# Altium PCB hep-0002.PcbDoc (part 3 of 3)
Units mm, origin at the board's own origin, x right, y up, seen from the top; angles counter-clockwise.
Board outline 120.4 x 43.4 mm, 4 copper layers (Top Layer, Signal_1, Signal_2, GND), stack 1.57 mm thick; 167 components, 143 nets, 557 pads, 227 vias.
Unrouted connection lines stored in the file: 1.
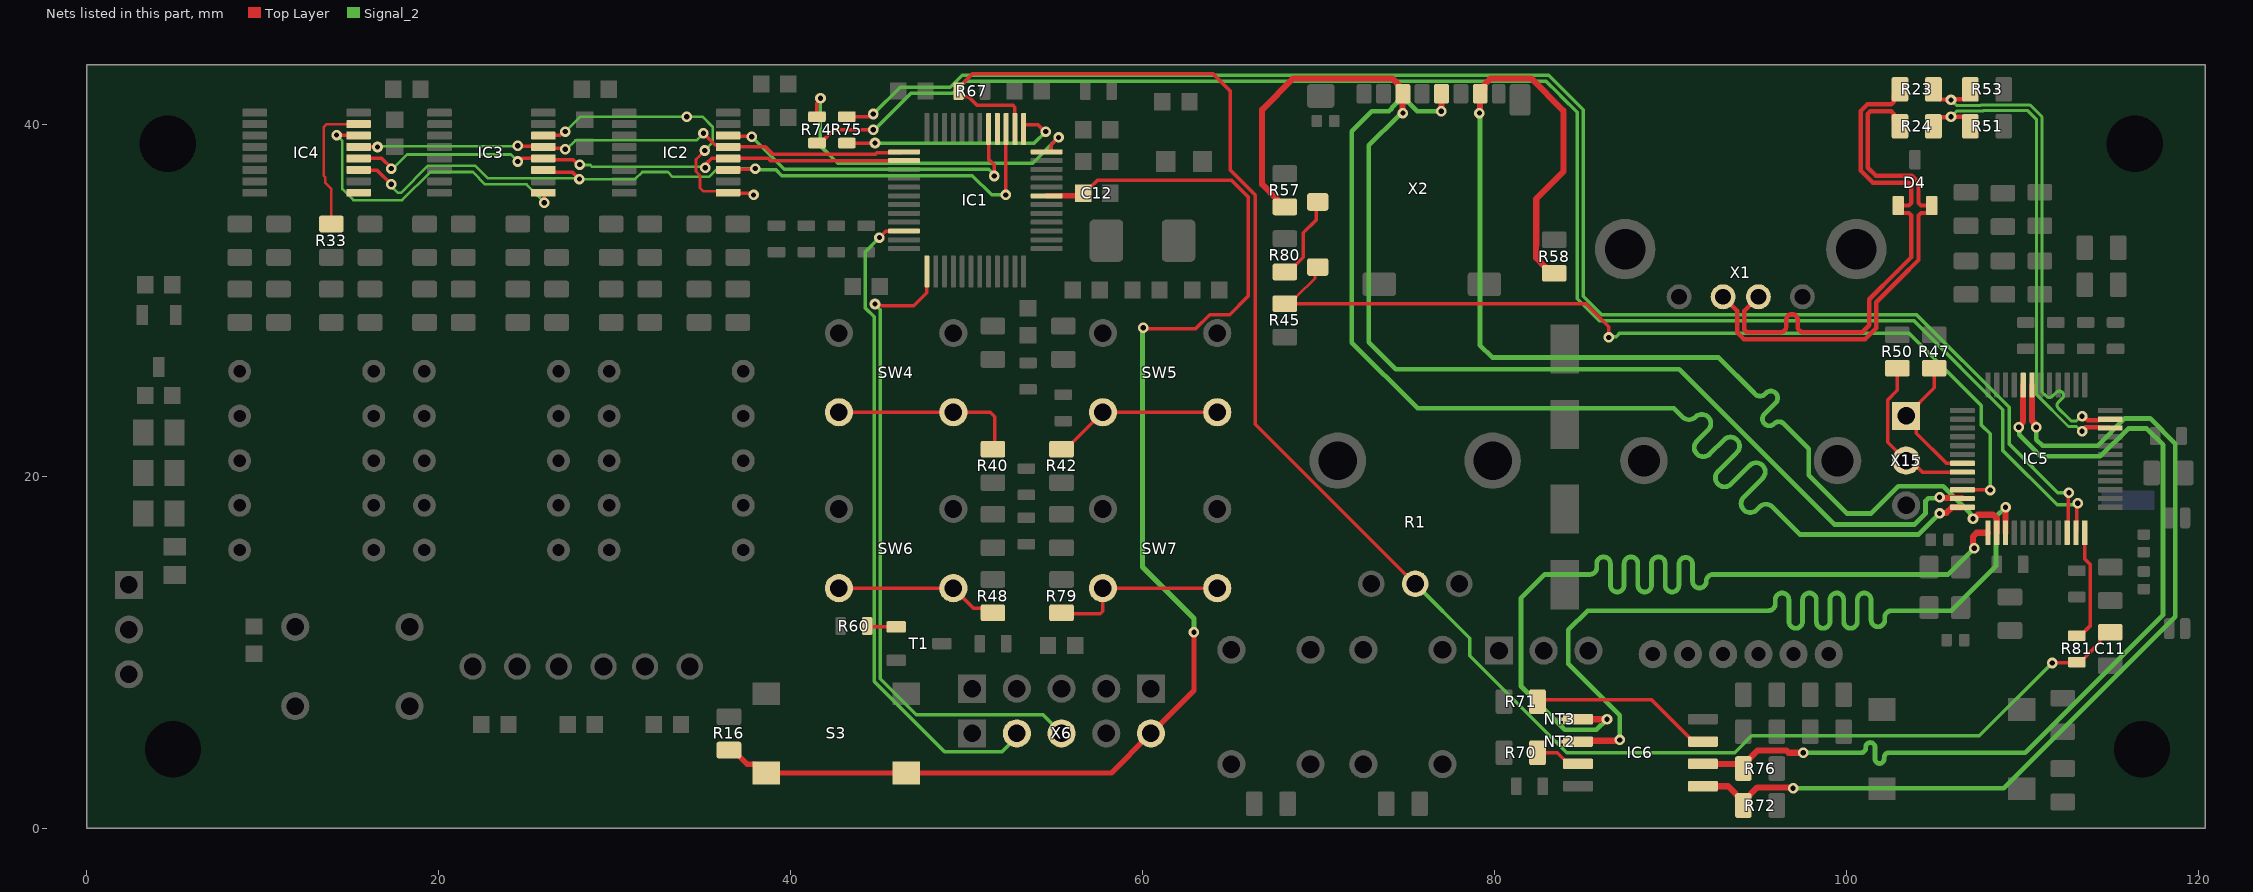
[diagram p5: the nets of this part, all layers, seen from the top]

## Via types
v1: diameter 0.6, hole 0.3, Top Layer to GND, 226 vias
v2: diameter 0.6, hole 0.2, Top Layer to GND, 1 vias

## Nets (pads, with @x,y where several pads share a name; then routed paths per layer and width w, separated by ;. In a path a pad name is that pad's centre, name@x,y a point inside that pad or via, vN(x,y) a via of type N, cw(c..) or ccw(c..) an arc to the next point about the centre after c; other vN are vias at no path point) (continued)
NetIC4_15: IC4.15 R33.2 | length 7.7
  Top Layer w0.15: R33.2@13.9,34.35 13.9,36.35 13.55,36.7 13.55,37.008 13.475,37.083 13.475,39.862 13.638,40.025 IC4.15@15.45,40.025
NetIC5_34: IC5.34 R75.1 | length 90
  Top Layer w0.2: R75.1@43.2,40.45 44.469,40.45 44.619,40.6 v1(44.7,40.6) ; IC5.34@112.55,16.8 112.6,16.85 112.6,19.025 v1(112.65,19.075)
  Signal_2 w0.2: v1(44.7,40.6) 46.225,42.125 49.078,42.125 49.753,42.8 83.085,42.8 85.05,40.835 85.05,30.25 86.1,29.2 103.992,29.2 109.25,23.942 109.25,21.841 112.016,19.075 v1(112.65,19.075)
NetIC5_35: IC5.35 R74.1 | length 92.4
  Top Layer w0.2: R74.1@41.5,38.95 41.7,38.95 42.45,39.7 v1(44.7,39.7) ; IC5.35@113.05,16.8 113.1,16.85 113.1,18.425 v1(113.15,18.475)
  Signal_2 w0.2: v1(44.7,39.7) 44.767,39.7 46.842,41.775 49.223,41.775 49.898,42.45 82.94,42.45 83.65,41.74 83.795,41.595 84.7,40.69 84.7,30.105 85.955,28.85 103.847,28.85 104.147,28.55 108.9,23.797 108.9,21.476 111.977,18.398 113.073,18.398 v1(113.15,18.475)
NetIC5_36: IC5.36 R81.2 | length 6.4
  Top Layer w0.2: R81.2@113.1,10.95 113.3,10.95 113.85,11.5 113.85,15.01 113.55,15.31 IC5.36@113.55,16.8
NetIC6_3: IC6.3 R71.1 | length 10.4
  Top Layer w0.2: R71.1@82.45,7.2 82.55,7.3 88.935,7.3 91.3,4.935 IC6.3@91.85,4.935
NetIC6_7: IC6.7 R70.1 | length 2.6
  Top Layer w0.2: R70.1@82.45,4.3 83.565,4.3 84.2,3.665 IC6.7@84.75,3.665
NetR40_1: R40.1 SW4.2 SW4.4 | length 10.8
  Top Layer w0.2: SW4.2@42.75,23.65 SW4.4@49.25,23.65 51.35,23.65 51.6,23.4 R40.1@51.6,21.6
NetR42_1: R42.1 SW5.2 SW5.4 | length 9.7
  Top Layer w0.2: R42.1@55.4,21.55 55.635,21.55 57.735,23.65 SW5.2@57.75,23.65 SW5.4@64.25,23.65
NetR48_1: R48.1 SW6.2 SW6.4 | length 9.3
  Top Layer w0.2: SW6.2@42.75,13.65 SW6.4@49.25,13.65 50.394,12.506 51.244,12.506 R48.1@51.5,12.25
NetR60_1: R60.1 T1.B | length 1.7
  Top Layer w0.2: R60.1@44.35,11.5 44.4,11.45 T1.B@46,11.45
NetR79_1: R79.1 SW7.2 SW7.4 | length 10.4
  Top Layer w0.2: R79.1@55.4,12.25 55.65,12.5 55.95,12.2 57.6,12.2 57.75,12.35 SW7.2@57.75,13.65 SW7.4@64.25,13.65
NetR80_2: R80.2 X2.9 | length 4.8
  Top Layer w0.2: R80.2@68.192,31.618 68.307,31.618 68.692,32.003 68.692,32.012 69.142,32.462 69.142,33.842 69.874,34.574 69.874,35.514 X2.9@69.96,35.6
Poti_1: C11.2 IC1.14 R1.2 R67.2 R81.1 | length 100.7
  Top Layer w0.2: R67.2@49.4,41.9 49.4,41.775 49.6,41.575 50.115,41.575 50.58,41.11 52.633,41.11 52.75,40.993 IC1.14@52.75,39.75 ; R67.2@49.55,41.9 49.55,42.1 50.35,42.9 64,42.9 65,41.9 65,37.395 66.4,35.995 66.4,22.972 75.472,13.9 R1.2@75.5,13.9 ; v1(111.7,9.4) 111.725,9.425 113.025,9.425 113.05,9.4 R81.1@113.1,9.45 113.3,9.45 114.412,10.562 114.412,10.776 114.785,11.15 C11.2@115,11.15
  Signal_2 w0.2: R1.2@75.6,13.8 78.6,10.8 78.6,9.806 84.106,4.3 93.65,4.3 94.612,5.262 107.562,5.262 v1(111.7,9.4)
Reset: C12.2 IC1.7 R16.1 S3.1 S3.3 X6.5 | length 74.3
  Top Layer w0.2: C12.2@57,36.4 57.44,36.84 65.06,36.84 66,35.9 66,30.25 64.95,29.2 63.815,29.2 63.015,28.4 60.1,28.4 v1(60.05,28.45)
  Top Layer w0.3: R16.1@36.5,4.45 36.725,4.45 37.525,3.65 38,3.65 38.2,3.45 S3.3@38.2,3.4 ; S3.3@38.625,3.15 S3.1@46.575,3.15 58.23,3.15 60.38,5.3 X6.5@60.4,5.3 ; IC1.7@54.55,35.95 56.65,35.95 C12.2@56.7,36 ; X6.5@60.48,5.4 62.925,7.845 v1(62.925,11.15)
  Signal_2 w0.3: v1(60.05,28.45) 60,28.4 60,14.85 62.925,11.925 v1(62.925,11.15)
SD_CD: IC5.22 R45.1 X2.10 | length 51.9
  Top Layer w0.15: R45.1@68.362,29.818 68.362,29.839 68.741,30.218 68.762,30.218 69.807,31.263 69.807,31.747 X2.10@69.96,31.9
  Top Layer w0.2: R45.1@68.092,29.818 68.362,29.818 85.182,29.818 86.5,28.5 v1(86.5,27.9) ; IC5.22@106.6,19.25 108.15,19.25 v1(108.175,19.225)
  Signal_2 w0.2: v1(86.5,27.9) 86.533,27.933 86.916,27.933 87.133,28.15 103.557,28.15 107.675,24.032 107.675,22.925 108.175,22.425 v1(108.175,19.225)
SD_CLK: IC5.24 X2.5 | length 69.9
  Top Layer w0.35: v1@76.875,40.725 76.985,40.835 76.985,41.74 X2.5@76.995,41.75 ; v1(105.3,17.9) 105.329,17.929 105.691,17.929 106.012,18.25 IC5.24@106.6,18.25
  Signal_2 w0.27: v1(76.975,40.75) 75.602,40.75 75.092,41.26 75.017,41.26 74.992,41.285 74.508,41.285 74.165,40.942 74.165,40.908 74.007,40.75 73.033,40.75 71.9,39.617 71.9,27.606 75.636,23.87 83.841,23.87 89.155,23.87 89.47,23.87 90.2,23.87 90.691,23.379 ccw(c91.056,23.743) 91.421,23.379 cw(c91.786,23.014) 92.151,23.379 cw(c91.786,23.014) 92.151,22.649 91.509,22.007 ccw(c91.874,21.643) 91.509,21.278 ccw(c91.874,21.643) 92.239,21.278 93.049,22.087 cw(c93.414,21.723) 93.779,22.087 cw(c93.414,21.723) 93.779,21.358 92.712,20.291 ccw(c93.077,19.927) 92.712,19.562 ccw(c93.077,19.927) 93.442,19.562 94.508,20.628 cw(c94.873,20.263) 95.238,20.628 cw(c94.873,20.263) 95.238,19.898 94.172,18.832 ccw(c94.537,18.467) 94.172,18.102 ccw(c94.537,18.467) 94.902,18.102 95.07,18.27 cw(c95.435,17.906) 95.8,18.27 95.895,18.175 97.37,16.7 104.1,16.7 v1(105.3,17.9)
SD_CMD: IC5.23 R57.2 X2.3 | length 69.8
  Top Layer w0.35: R57.2@68.192,35.318 67.967,35.318 67.667,35.618 67.667,35.737 66.8,36.604 66.8,40.85 68.575,42.625 74.192,42.625 74.445,42.372 74.545,42.272 74.545,42.125 74.57,42.1 74.787,42.1 74.822,42.066 74.772,42.016 74.772,40.678 v1(74.8,40.65) ; v1(105.3,18.825) 105.368,18.825 105.418,18.775 106.575,18.775 IC5.23@106.6,18.75
  Signal_2 w0.27: v1(74.8,40.65) 74.711,40.65 74.546,40.485 74.535,40.485 72.863,38.813 72.863,27.637 74.4,26.1 90.492,26.1 99.317,17.275 103.875,17.275 104.5,17.9 104.5,18.604 104.658,18.762 105.237,18.762 v1(105.3,18.825)
SD_DAT0: IC5.26 R58.2 X2.7 | length 69.5
  Top Layer w0.35: v1(79.15,40.65) 79.175,40.675 79.175,41.73 79.445,42 79.445,42.28 79.79,42.625 82.089,42.625 83.925,40.789 83.925,37.325 82.375,35.775 82.375,33.168 82.367,33.16 82.367,32.425 82.875,31.917 82.875,31.85 83.325,31.4 R58.2@83.392,31.4 ; 107.466,17.825 108.345,17.825 108.55,17.62 IC5.26@108.55,16.8
  Signal_2 w0.27: v1(79.15,40.65) 79.177,40.623 79.177,27.471 79.883,26.765 92.735,26.765 94.728,24.772 94.824,24.676 ccw(c95.099,24.951) 95.374,24.676 95.436,24.739 cw(c95.711,24.464) 95.986,24.739 cw(c95.711,24.464) 95.986,24.188 95.345,23.547 ccw(c95.62,23.272) 95.345,22.997 ccw(c95.62,23.272) 95.895,22.997 cw(c96.17,22.722) 96.445,22.997 96.88,22.563 96.975,22.467 97.865,21.577 97.865,20.063 98.043,19.886 100.028,17.9 101.406,17.9 102.951,19.445 105.507,19.445 105.885,19.067 107.048,17.905 107.048,17.842 107.2,17.689 v1(107.2,17.6)
Serial_Out_1: IC2.9 IC3.14 | length 17.2
  Top Layer w0.15: v1(35.125,38.525) 34.625,38.025 34.625,37.333 34.85,37.108 34.85,36.4 35.05,36.2 36.375,36.2 IC2.9@36.45,36.125
  Top Layer w0.2: IC3.14@26.205,39.4 26.898,39.4 27.098,39.6 v1(27.2,39.6) ; IC2.9@36.475,36.1 37.719,36.1 37.819,36 v1(37.9,36)
  Top Layer w0.3: IC2.9@36.45,36.125 IC2.9@36.475,36.1
  Signal_2 w0.15: v1(27.2,39.6) 28.05,40.45 v1(34.1,40.45) 35,40.45 35.575,39.875 35.575,38.975 v1(35.125,38.525)
Serial_Out_2: IC3.9 IC4.14 | length 17.7
  Top Layer w0.2: v1(14.2,39.4) 14.212,39.388 14.988,39.388 IC4.14@15,39.4 ; IC3.9@25.95,36.125 26,36.075 v1@26,35.6
  Signal_2 w0.15: v1(14.2,39.4) 14.525,39.075 14.525,36.325 15.15,35.7 17.925,35.7 19.525,37.3 21.944,37.3 22.644,36.6 25,36.6 v1@26,35.6
  other v1: 26,35.55
Serial_Out_3: IC4.9
Shift_Out_nOE: IC1.25 IC2.13 IC3.13 IC4.13 | length 31.9
  Top Layer w0.2: IC4.13@15.4,38.7 15.425,38.725 IC4.13@15.45,38.725 v1@16.425,38.725 ; v1(24.5,38.8) 24.537,38.763 25.913,38.763 IC3.13@25.95,38.725 ; IC3.13@26.012,38.713 26.068,38.657 27.143,38.657 v1(27.2,38.6) ; v1(35.05,39.5) 35.7,38.85 36.325,38.85 IC2.13@36.45,38.725 38.575,38.725 39,38.3 44.807,38.3 44.907,38.4 IC1.25@46.308,38.4
  Signal_2 w0.15: v1@16.425,38.725 16.462,38.763 24.462,38.763 v1(24.5,38.8) ; v1(27.2,38.6) 27.267,38.6 27.767,39.1 34.65,39.1 v1(35.05,39.5)
  other v1: 16.525,38.725
SPI1_CS: IC5.7 IC6.1 R72.1 | length 54.1
  Top Layer w0.35: IC6.1@91.85,2.395 93.28,2.395 R72.1@94.15,1.525 ; R72.1@94.15,1.3 R72.1@94.15,1.525 ; v1@96.954,2.296 96.886,2.296 96.857,2.325 94.95,2.325 R72.1@94.15,1.525 ; IC5.7@110.55,25.2 110.55,23.158 110.752,22.956 110.752,22.848 v1(110.8,22.8)
  Signal_2 w0.27: v1(96.975,2.275) 108.952,2.275 118.7,12.023 118.7,21.863 117.263,23.3 115.825,23.3 114.275,21.75 111.15,21.75 110.8,22.1 v1(110.8,22.8)
SPI1_CS_MCU: IC1.26 IC2.12 IC3.12 IC4.12 | length 32.3
  Top Layer w0.2: IC4.12@15.462,38.087 16.754,38.087 17.3,37.541 v1(17.3,37.5) ; v1(24.5,37.9) 24.581,37.9 24.756,38.075 IC3.12@25.95,38.075 26.025,38 27.642,38 27.917,37.725 v1(28.025,37.725) ; v1@35.04,37.6 35.092,37.6 35.227,37.735 35.227,37.786 35.515,38.075 38.73,38.075 38.855,37.95 IC1.26@46.45,37.95
  Signal_2 w0.15: v1(17.3,37.5) 17.4,37.5 18.2,38.3 24.1,38.3 v1(24.5,37.9) ; v1(28.025,37.725) 28.05,37.7 28.625,37.7 28.725,37.6 v1@35,37.6
  other v1: 35.15,37.55
SPI1_MISO: IC5.8 IC6.2 R76.1 | length 54
  Top Layer w0.35: IC6.2@91.85,3.665 93.885,3.665 R76.1@94.038,3.512 ; R76.1@94.15,3.4 94.15,3.625 94.95,4.425 96.59,4.425 96.715,4.3 v1(97.55,4.3) ; v1(109.8,22.8) 109.8,22.868 110.05,23.118 IC5.8@110.05,25.2
  Signal_2 w0.27: v1(97.55,4.3) 98.749,4.3 100.697,4.3 100.832,4.3 ccw(c100.832,4.57) 101.102,4.57 101.102,4.615 cw(c101.364,4.615) 101.364,4.877 cw(c101.364,4.615) 101.626,4.615 101.626,3.95 ccw(c101.888,3.95) 101.888,3.688 ccw(c101.888,3.95) 102.15,3.95 102.15,4.03 cw(c102.42,4.03) 102.42,4.3 104.5,4.3 110.167,4.3 118,12.133 118,21.8 117.078,22.722 116.017,22.722 114.438,21.143 111.05,21.143 109.825,22.368 109.825,22.775 v1(109.8,22.8)
SPI1_MISO_MCU: IC1.16
SPI1_MOSI: IC5.25 IC6.5 NT3.2 | length 54.1
  Top Layer w0.35: IC6.5@84.2,6.2 IC6.5@84.4,6.2 ; IC6.5@84.75,6.205 84.755,6.2 v1(86.4,6.2) ; v1(107.275,15.925) 107.275,15.993 107.2,16.068 107.2,16.595 107.405,16.8 IC5.25@108.05,16.8
  Signal_2 w0.27: v1(86.4,6.2) 85.8,5.6 84,5.6 81.508,8.092 81.508,13.074 82.867,14.433 85.292,14.433 85.427,14.433 ccw(c85.427,14.822) 85.816,14.822 85.816,15.044 cw(c86.205,15.044) 86.205,15.433 cw(c86.205,15.044) 86.594,15.044 86.594,13.822 ccw(c86.983,13.822) 86.983,13.433 ccw(c86.983,13.822) 87.372,13.822 87.372,15.044 cw(c87.761,15.044) 87.761,15.433 cw(c87.761,15.044) 88.15,15.044 88.15,13.822 ccw(c88.539,13.822) 88.539,13.433 ccw(c88.539,13.822) 88.928,13.822 88.928,15.044 cw(c89.317,15.044) 89.317,15.433 cw(c89.317,15.044) 89.706,15.044 89.706,13.822 ccw(c90.095,13.822) 90.095,13.433 ccw(c90.095,13.822) 90.484,13.822 90.484,15.013 cw(c90.873,15.013) 90.873,15.402 cw(c90.873,15.013) 91.262,15.013 91.262,14.044 ccw(c91.651,14.044) 91.651,13.655 ccw(c91.651,14.044) 92.04,14.044 cw(c92.429,14.044) 92.429,14.433 94.069,14.433 95.986,14.433 105.783,14.433 v1(107.275,15.925)
SPI1_MOSI_MCU: IC1.17 IC2.14 | length 18.5
  Top Layer w0.2: IC2.14@36.9,39.4 36.962,39.338 37.763,39.338 v1(37.8,39.3) ; IC1.17@51.25,39.75 51.25,38.031 51.575,37.706 v1(51.575,37.075)
  Signal_2 w0.2: v1(37.8,39.3) 39.65,37.45 51.267,37.45 51.575,37.142 v1(51.575,37.075)
SPI1_SCK: IC5.27 IC6.6 NT2.2 | length 54.1
  Top Layer w0.35: IC6.6@84.2,4.935 IC6.6@84.75,4.935 84.795,4.98 87.08,4.98 v1(87.125,5.025) ; IC5.27@109.05,16.8 v1(109.05,18.25)
  Signal_2 w0.27: v1(87.125,5.025) 87.125,6.418 84.2,9.343 84.2,11.283 85.292,12.375 95.436,12.375 95.571,12.375 ccw(c95.571,12.764) 95.96,12.764 95.96,12.986 cw(c96.349,12.986) 96.349,13.375 cw(c96.349,12.986) 96.738,12.986 96.738,11.764 ccw(c97.127,11.764) 97.127,11.375 ccw(c97.127,11.764) 97.516,11.764 97.516,12.986 cw(c97.905,12.986) 97.905,13.375 cw(c97.905,12.986) 98.294,12.986 98.294,11.764 ccw(c98.683,11.764) 98.683,11.375 ccw(c98.683,11.764) 99.072,11.764 99.072,12.986 cw(c99.461,12.986) 99.461,13.375 cw(c99.461,12.986) 99.85,12.986 99.85,11.764 ccw(c100.239,11.764) 100.239,11.375 ccw(c100.239,11.764) 100.628,11.764 100.628,12.986 cw(c101.017,12.986) 101.017,13.375 cw(c101.017,12.986) 101.406,12.986 101.406,11.85 ccw(c101.795,11.85) 101.795,11.461 ccw(c101.795,11.85) 102.184,11.85 102.184,11.986 cw(c102.573,11.986) 102.573,12.375 103.847,12.375 105.043,12.375 105.972,12.375 108.499,14.903 108.499,17.699 v1(109.05,18.25)
SPI1_SCK_MCU: IC1.15 IC2.11 IC3.11 IC4.11 | length 47.1
  Top Layer w0.2: IC4.11@15.45,37.425 15.485,37.39 16.51,37.39 v1(17.3,36.6) ; IC3.11@25.95,37.425 26.075,37.3 27.6,37.3 v1(28,36.9) ; IC2.11@36.343,37.463 37.962,37.463 v1(38,37.5) ; v1(52.225,36) 52.238,36.012 52.238,39.738 IC1.15@52.25,39.75
  Signal_2 w0.15: v1(17.3,36.6) 17.3,36.5 17.682,36.118 17.848,36.118 19.38,37.65 22.089,37.65 22.789,36.95 27.95,36.95 v1(28,36.9) 31.172,36.9 31.572,37.3 33.024,37.3 33.299,37.025 35.367,37.025 35.842,37.5 v1(38,37.5)
  Signal_2 w0.2: v1(38,37.5) 38.057,37.443 39.162,37.443 39.505,37.1 50.325,37.1 51.425,36 v1(52.225,36)
SWCLK: IC1.37 X6.3 | length 37.4
  Top Layer w0.2: v1(44.8,29.8) 44.877,29.723 45.094,29.723 45.117,29.7 47,29.7 47.75,30.45 IC1.37@47.75,31.65
  Signal_2 w0.2: v1(44.8,29.8) 44.8,29.783 45.1,29.483 45.1,8.5 47.15,6.45 54.35,6.45 X6.3@55.3,5.5
SWDIO: IC1.34 X6.2 | length 37.6
  Top Layer w0.2: v1(45.05,33.575) 45.41,33.935 46.435,33.935 IC1.34@46.45,33.95
  Signal_2 w0.2: v1(45.05,33.575) 45.05,33.558 44.25,32.758 44.25,29.572 44.75,29.072 44.75,8.35 48.75,4.35 52.02,4.35 52.86,5.19 X6.2@52.86,5.4
UART0_RX: IC5.19 R47.1 X15.1 | length 7.9
  Top Layer w0.2: R47.1@105,26.15 105,25.04 X15.1@103.4,23.44 103.983,22.857 103.983,22.457 105.69,20.75 IC5.19@106.6,20.75
UART0_TX: IC5.20 R50.1 X15.2 | length 9.4
  Top Layer w0.2: R50.1@102.9,26.15 102.9,24.894 102.35,24.344 102.35,21.95 X15.2@103.4,20.9 103.656,20.9 104.306,20.25 IC5.20@106.6,20.25
UART2_RX: IC1.13 R75.2 | length 12.9
  Top Layer w0.2: R75.2@43.2,38.95 v1(44.8,38.95) ; IC1.13@53.3,40 54.051,40 54.451,39.6 v1(54.5,39.6)
  Signal_2 w0.2: v1(44.8,38.95) 53.85,38.95 v1(54.5,39.6)
UART2_TX: IC1.12 R74.2 | length 19.6
  Top Layer w0.2: R74.2@41.5,40.5 41.5,41.219 41.7,41.419 v1(41.7,41.5) ; IC1.12@54.55,38.45 54.769,38.45 54.806,38.487 54.806,38.843 v1(55.23,39.268)
  Signal_2 w0.2: v1(41.7,41.5) 41.7,38.784 42.684,37.8 53.762,37.8 v1(55.23,39.268)
USBD_CON_N: D4.1 R23.2 X1.2 | length 30.7
  Top Layer w0.25: X1.2@95,30.21 94.2,29.41 94.2,28.346 94.346,28.2 95.752,28.2 96.26,28.2 ccw(c96.26,28.525) 96.585,28.525 96.585,28.9 cw(c96.91,28.9) 96.91,29.225 cw(c96.91,28.9) 97.235,28.9 97.235,28.525 ccw(c97.56,28.525) 97.56,28.2 98.335,28.2 100.9,28.2 101.3,28.6 101.3,30.066 102.934,31.7 103.7,32.466 103.7,34.829 103.554,34.975 103.15,34.975 102.95,35.175 D4.1@102.95,35.4 103.554,35.4 103.7,35.546 103.7,36.15 103.7,36.554 103.554,36.7 101.5,36.7 100.817,37.383 100.817,40.769 101.198,41.15 102.554,41.15 102.7,41.296 102.7,41.65 R23.2@103.05,42
USBD_CON_P: D4.2 R24.2 X1.3 | length 29.9
  Top Layer w0.25: X1.3@93,30.21 93.8,29.41 93.8,28.181 94.181,27.8 94.759,27.8 99.648,27.8 101.066,27.8 101.7,28.434 101.7,29.9 103.1,31.3 104.1,32.3 104.1,34.829 104.246,34.975 104.65,34.975 104.85,35.175 D4.2@104.85,35.4 104.246,35.4 104.1,35.546 104.1,35.984 104.1,36.719 103.719,37.1 101.666,37.1 101.217,37.549 101.217,40.604 101.364,40.75 102.554,40.75 102.7,40.604 102.7,40.25 R24.2@103.05,39.9
USBD_N: IC5.47 R23.1 R53.2 | length 29.9
  Top Layer w0.25: R23.1@104.95,42 104.95,41.775 105.3,41.425 105.446,41.425 105.925,41.425 v1(105.95,41.4) ; v1@106.052,41.377 106.107,41.432 106.7,41.432 107.05,41.782 R53.2@107.05,42 ; v1@113.4,23.325 113.433,23.358 113.562,23.358 113.72,23.2 114.35,23.2 114.375,23.225 114.975,23.225 IC5.47@115,23.25
  Signal_2 w0.175: v1@105.95,41.275 106.078,41.275 106.265,41.087 107.63,41.087 107.655,41.112 110.447,41.112 111.125,40.435 111.125,24.803 111.314,24.614 111.376,24.552 ccw(c111.544,24.72) 111.712,24.552 111.942,24.782 cw(c112.109,24.614) 112.277,24.782 cw(c112.109,24.614) 112.277,24.446 112.048,24.216 ccw(c112.216,24.048) 112.048,23.88 112.664,23.264 112.765,23.162 113.085,23.162 113.347,23.425 v1(113.4,23.425)
USBD_P: IC5.46 R24.1 R51.2 | length 28.5
  Top Layer w0.25: R24.1@104.95,39.9 104.95,40.075 105.3,40.425 105.925,40.425 v1(105.95,40.45) 106.7,40.45 107.05,40.1 R51.2@107.05,39.9 ; v1@113.593,22.8 114.35,22.8 114.375,22.775 114.975,22.775 IC5.46@115,22.75
  Signal_2 w0.175: v1@105.95,40.625 105.987,40.588 106.09,40.588 106.265,40.762 107.765,40.762 107.79,40.787 110.312,40.787 110.8,40.3 110.8,24.668 112.631,22.837 113.085,22.837 113.347,22.575 v1(113.4,22.575)
pads on no net: IC1.2 IC1.3 IC1.4 IC1.10 IC1.11 IC1.18 IC1.19 IC1.29 IC1.32 IC1.33 IC1.38 IC5.9 IC5.10 IC5.15 IC5.16 IC5.17 IC5.18 IC5.21 R1.NC1 R1.NC2 R4.MT R26.2 X2.1 X2.2 X2.8 XTAL2.2 XTAL2.3

## Polygon pours and split planes (outlines as drawn)
IOVDD on Signal_1 "IOVDD_L02_P004" (solid, remove dead copper, pour order 4): 0,43.4 120.4,43.4 120.4,0 0,0
3V3 on Signal_1 "3V3_L02_P003" (solid, remove dead copper, pour order 3): 0,43.4 60,43.4 60,27.875 59.5,27.375 0,27.375
GND on Signal_1 "GND_L02_P001" (solid, pour order 1): 85.5,43.4 85.5,28.25 86.35,27.4 103.15,27.4 104,28.25 104,30.9 105,31.9 105,33.9 105.5,34.4 105.5,37.75 106.15,38.4 110.9,38.4 112,39.5 112,43.4
GND on GND "GND_L04_P002" (solid, remove dead copper, pour order 2): 0,43.4 120.4,43.4 120.4,0 0,0
AGND on GND "AGND_L04_P000" (solid, pour order 0): 120.4,43.4 113.6,43.4 113.6,25.8 116.7,25.8 116.7,22.3 114.4,22.3 114.4,21.3 113,21.3 113,18.9 120.4,18.9

## Keep-outs
Top Layer:
  circle w0.254: c116.8,4.5 r3
  circle w0.254: c116.4,38.9 r3
  circle w0.254: c4.9,4.5 r3
  circle w0.254: c4.6,38.9 r3
GND:
  circle w0.254: c4.6,38.9 r3
  circle w0.254: c4.9,4.5 r3
  circle w0.254: c116.8,4.5 r3
  circle w0.254: c116.4,38.9 r3

## Other copper
Top Layer:
  region net 5V0_IN: 1.5,15 5.75,15 6.25,14.5 6.25,13.29 5.71,12.75 1.5,12.75 1.3,12.95 1.3,14.8
  region net 5V0: 4,26.8 5.95,26.8 6.5,26.25 6.5,16.07 5.83,15.4 4.238,15.4 4,15.638
  region net 3V3: 1.3,32.4 3.2,32.4 3.8,31.8 3.8,30 1.3,30 1.1,30.2 1.1,32.2
  text ".Layer_Name" at 124.75,76.6 h1.2
  text ".Layer_Name" at 167.55,74.6 h1.2
Signal_1:
  region net 3V3: 1,33 2.5,33 3,32.5 3,29.5 1,29.5 0.5,30 0.5,32.5
  text ".Layer_Name" at 124.55,74.6 h1.2
  text ".Layer_Name" at 167.55,74.6 h1.2
Signal_2:
  text ".Layer_Name" at 124.55,74.6 h1.2
  text ".Layer_Name" at 167.55,74.6 h1.2
GND:
  text ".Layer_Name" at 124.75,76.6 h1.2
  text ".Layer_Name" at 167.55,74.6 h1.2

## Silkscreen, mask and mechanical layers (free items; w line width, h text height)
Top Overlay:
  text ".Layer_Name" at 124.55,72.6 h1.2
  text ".Layer_Name" at 167.55,72.6 h1.2
  text "Variant:" at 176.75,70.75 h1.2
  text "hep-0002" at 52.075,2.25 h1
  text "Huckepack Rev 1.1" at 23.525,0.7 h1
  text "2021/12/20" at 52,0.675 h1
Bottom Overlay:
  text ".Layer_Name" at 124.55,72.6 h1.2
  text ".Layer_Name" at 167.55,72.6 h1.2
  text "Variant:" at 176.75,70.75 h1.2
Top Paste:
  text ".Layer_Name" at 124.55,70.6 h1.2
  text ".Layer_Name" at 167.55,70.6 h1.2
Bottom Paste:
  text ".Layer_Name" at 124.55,66.65 h1.2
  text ".Layer_Name" at 167.55,66.65 h1.2
Top Solder:
  circle w2: c116.4,38.9 r1.118
  circle w2: c116.8,4.5 r1.118
  circle w2: c4.9,4.5 r1.118
  circle w2: c4.6,38.9 r1.118
  text ".Layer_Name" at 124.55,68.6 h1.2
  text ".Layer_Name" at 167.55,68.6 h1.2
Bottom Solder:
  text ".Layer_Name" at 124.55,64.65 h1.2
  text ".Layer_Name" at 167.55,64.65 h1.2
Outline:
  lines w0.17: 0,43.4 120.4,43.4 ; 0,43.4 0,43.4 ; 0,43.4 0,0 120.4,0 ; 120.4,0 120.4,0 ; 120.4,0 120.4,43.4 ; 120.4,43.4 120.4,43.4
  lines w0.254: 0,43.4 0,43.4
  text ".Layer_Name" at 124.55,62.6 h1.2
  text ".Layer_Name" at 167.55,62.6 h1.2
Panel_DIM:
  lines w0.17: -1,0 1,0 0,0 0,1 ; 3.6,36.6 5.6,36.6 4.6,36.6 ; 3.9,4.5 5.9,4.5 4.9,4.5 ; 4.6,37.6 4.6,36.6 ; 4.9,5.5 4.9,4.5 ; 6.515,14.315 8.515,14.315 7.515,14.315 ; 6.515,27.485 8.515,27.485 7.515,27.485 ; 7.515,15.315 7.515,14.315 ; 7.515,28.485 7.515,27.485 ; 14.1,9.2 16.1,9.2 15.1,9.2 ; 15.1,10.2 15.1,9.2 ; 22.2,9.2 24.2,9.2 23.2,9.2 ; 23.2,10.2 23.2,9.2 ; 27.1,9.2 29.1,9.2 28.1,9.2 ; 28.1,10.2 28.1,9.2 ; 32,9.2 34,9.2 33,9.2 ; 33,10.2 33,9.2 ; 37.485,14.315 39.485,14.315 38.485,14.315 ; 37.485,27.485 39.485,27.485 38.485,27.485 ; 38.485,15.315 38.485,14.315 ; 38.485,28.485 38.485,27.485 ; 45,15.9 47,15.9 46,15.9 ; 45,25.9 47,25.9 46,25.9 ; 46,16.9 46,15.9 ; 46,26.9 46,25.9 ; 60,15.9 62,15.9 61,15.9 ; 60,25.9 62,25.9 61,25.9 ; 60.884,37.9 62.884,37.9 61.884,37.9 ; 61,16.9 61,15.9 ; 61,26.9 61,25.9 ; 61.884,38.9 61.884,37.9 ; 66.3,6.9 68.3,6.9 67.3,6.9 ; 67.3,7.9 67.3,6.9 ; 73.8,6.9 75.8,6.9 74.8,6.9 ; 74.5,20.9 76.5,20.9 75.5,20.9 ; 74.8,7.9 74.8,6.9 ; 75.5,21.9 75.5,20.9 ; 93,20.9 95,20.9 94,20.9 ; 94,21.9 94,20.9 ; 115.4,38.9 117.4,38.9 116.4,38.9 ; 115.8,4.5 117.8,4.5 116.8,4.5 ; 116.4,39.9 116.4,38.9 ; 116.8,5.5 116.8,4.5 ; 4.6,36.6 4.6,35.6 4.6,36.6 ; 4.9,4.5 4.9,3.5 4.9,4.5 ; 7.515,14.315 7.515,13.315 7.515,14.315 ; 7.515,27.485 7.515,26.485 7.515,27.485 ; 15.1,9.2 15.1,8.2 15.1,9.2 ; 23.2,9.2 23.2,8.2 23.2,9.2 ; 28.1,9.2 28.1,8.2 28.1,9.2 ; 33,9.2 33,8.2 33,9.2 ; 38.485,14.315 38.485,13.315 38.485,14.315 ; 38.485,27.485 38.485,26.485 38.485,27.485 ; 46,15.9 46,14.9 46,15.9 ; 46,25.9 46,24.9 46,25.9 ; 61,15.9 61,14.9 61,15.9 ; 61,25.9 61,24.9 61,25.9 ; 61.884,37.9 61.884,36.9 61.884,37.9 ; 67.3,6.9 67.3,5.9 67.3,6.9 ; 74.8,6.9 74.8,5.9 74.8,6.9 ; 75.5,20.9 75.5,19.9 75.5,20.9 ; 94,20.9 94,19.9 94,20.9 ; 116.4,38.9 116.4,37.9 116.4,38.9 ; 116.8,4.5 116.8,3.5 116.8,4.5
Top Courtyard:
  text ".Layer_Name" at 124.55,56.6 h1.2
  text ".Layer_Name" at 167.55,56.6 h1.2
Dimensions Top:
  drawing of 295 lines, arcs and shapes, not listed
  text "Layer" at 125.67,52.551 h1.16
  text "Name" at 133.748,52.551 h1.16
  text "Material" at 151.919,52.551 h1.16
  text "Thickness" at 168.731,52.551 h1.16
  text "Constant" at 181.468,52.551 h1.16
  text "Board Layer Stack" at 192.652,52.551 h1.16
  text "Top Overlay" at 133.748,50.221 h1.16
  text "Top Solder" at 133.748,47.891 h1.16
  text "Solder Resist" at 151.919,47.891 h1.16
  text "0.025mm" at 168.731,47.891 h1.16
  text "3.5" at 181.468,47.891 h1.16
  text "1" at 125.67,45.562 h1.16
  text "Top Layer" at 133.748,45.562 h1.16
  text "0.035mm" at 168.731,45.562 h1.16
  text "Dielectric 2" at 133.748,43.232 h1.16
  text "PP-006" at 151.919,43.232 h1.16
  text "0.200mm" at 168.731,43.232 h1.16
  text "4.1" at 181.468,43.232 h1.16
  text "2" at 125.67,40.902 h1.16
  text "Signal_1" at 133.748,40.902 h1.16
  text "CF-004" at 151.919,40.902 h1.16
  text "0.018mm" at 168.731,40.902 h1.16
  text "Dielectric 1" at 133.748,38.572 h1.16
  text "FR-4" at 151.919,38.572 h1.16
  text "1.065mm" at 168.731,38.572 h1.16
  text "4.6" at 181.468,38.572 h1.16
  text "3" at 125.67,36.242 h1.16
  text "Signal_2" at 133.748,36.242 h1.16
  text "CF-004" at 151.919,36.242 h1.16
  text "0.018mm" at 168.731,36.242 h1.16
  text "Dielectric 3" at 133.748,33.912 h1.16
  text "PP-006" at 151.919,33.912 h1.16
  text "0.200mm" at 168.731,33.912 h1.16
  text "4.1" at 181.468,33.912 h1.16
  text "4" at 125.67,31.582 h1.16
  text "GND" at 133.748,31.582 h1.16
  text "0.035mm" at 168.731,31.582 h1.16
  text "Bottom Solder" at 133.748,29.253 h1.16
  text "Solder Resist" at 151.919,29.253 h1.16
  text "0.025mm" at 168.731,29.253 h1.16
  text "3.5" at 181.468,29.253 h1.16
  text "Bottom Overlay" at 133.748,26.923 h1.16
3D Top:
  text ".Layer_Name" at 124.55,60.6 h1.2
  text ".Layer_Name" at 167.55,60.6 h1.2
3D Bottom:
  text ".Layer_Name" at 124.55,58.6 h1.2
  text ".Layer_Name" at 167.55,58.6 h1.2
Drill Drawing:
  circle w0.254: c125.913,21.793 r0.438
  circle w0.254: c125.913,9.967 r0.263
  circle w0.254: c125.913,9.967 r0.438
  rectangle: 8.1,16.8 8.4,19.5
  lines w0.254: 125.475,3.835 125.694,3.835 125.694,3.616 126.132,3.616 126.132,3.835 126.351,3.835 126.351,4.273 126.132,4.273 126.132,4.492 125.694,4.492 125.694,4.273 125.475,4.273 125.475,3.835 ; 125.475,5.587 126.351,5.587 126.351,6.463 125.475,6.463 125.475,5.587 ; 125.475,7.996 125.913,7.558 126.351,7.996 125.913,8.434 125.475,7.996 ; 125.475,12.376 126.351,12.376 125.913,11.5 125.475,12.376 ; 125.475,13.471 125.475,13.69 125.694,13.909 125.475,14.128 125.475,14.347 125.694,14.347 125.913,14.128 126.132,14.347 126.351,14.347 126.351,14.128 126.132,13.909 126.351,13.69 126.351,13.471 126.132,13.471 125.913,13.69 125.694,13.471 125.475,13.471 ; 125.475,15.661 125.694,15.661 125.694,15.442 126.132,15.442 126.132,15.661 126.351,15.661 126.351,16.099 126.132,16.099 126.132,16.318 125.694,16.318 125.694,16.099 125.475,16.099 125.475,15.661 ; 125.475,17.413 126.351,17.413 126.351,18.289 125.475,18.289 125.475,17.413 ; 125.475,19.603 125.694,19.603 125.913,19.384 126.132,19.603 126.351,19.603 126.132,19.822 126.351,20.041 126.132,20.041 125.913,20.26 125.694,20.041 125.475,20.041 125.694,19.822 125.475,19.603 ; 125.65,3.923 125.782,3.923 125.782,3.791 126.045,3.791 126.045,3.923 126.176,3.923 126.176,4.186 126.045,4.186 126.045,4.317 125.782,4.317 125.782,4.186 125.65,4.186 125.65,3.923 ; 125.65,12.201 126.176,12.201 125.913,11.675 125.65,12.201 ; 125.65,17.588 126.176,17.588 126.176,18.114 125.65,18.114 125.65,17.588 ; 125.65,19.69 125.782,19.69 125.913,19.559 126.045,19.69 126.176,19.69 126.045,19.822 126.176,19.953 126.045,19.953 125.913,20.085 125.782,19.953 125.65,19.953 125.782,19.822 125.65,19.69
  lines w0.381: 124.651,3.025 216.714,3.025 ; 124.651,22.734 216.714,22.734 ; 132.282,1.054 132.282,24.705 ; 140.409,1.054 140.409,24.705 ; 155.76,1.054 155.76,24.705 ; 162.799,1.054 162.799,24.705 ; 172.834,1.054 172.834,24.705 ; 188.858,1.054 188.858,24.705 ; 197,1.054 197,24.705 ; 207.192,1.054 207.192,24.705 ; 124.651,1.054 216.714,1.054 216.714,24.705 124.651,24.705 124.651,1.054
  text "PCB File:" at 176.75,74.75 h1.2
  text ".Pcb_File_Name_No_Path" at 190.25,74.75 h1.2
  text "Print Date:" at 176.75,72.75 h1.2
  text ".Print_Date" at 190.25,72.75 h1.2
  text "Variant:" at 176.75,70.75 h1.2
  text ".VariantName" at 190.25,70.75 h1.2
  text "Symbol" at 125.834,23.326 h0.95
  text "Count" at 132.873,23.326 h0.95
  text "Hole Size" at 141,23.326 h0.95
  text "Plated" at 156.351,23.326 h0.95
  text "Hole Type" at 163.391,23.326 h0.95
  text "Drill Layer Pair" at 173.425,23.326 h0.95
  text "Via/Pad" at 189.449,23.326 h0.95
  text "Pad Shape" at 197.592,23.326 h0.95
  text "Template" at 207.784,23.326 h0.95
  text "1" at 132.873,21.355 h0.79
  text "0.200mm (7.87mil)" at 141,21.355 h0.79
  text "PTH" at 156.351,21.355 h0.79
  text "Round" at 163.391,21.355 h0.79
  text "Top Layer - GND" at 173.425,21.355 h0.79
  text "Via" at 189.449,21.355 h0.79
  text "Rounded" at 197.592,21.355 h0.79
  text "v60h20m30" at 207.784,21.355 h0.79
  text "2" at 132.873,19.384 h0.79
  text "1.800mm (70.87mil)" at 141,19.384 h0.79
  text "PTH" at 156.351,19.384 h0.79
  text "Round" at 163.391,19.384 h0.79
  text "Top Layer - GND" at 173.425,19.384 h0.79
  text "Pad" at 189.449,19.384 h0.79
  text "Rounded" at 197.592,19.384 h0.79
  text "c270h180" at 207.784,19.384 h0.79
  text "2" at 132.873,17.413 h0.79
  text "2.200mm (86.61mil)" at 141,17.413 h0.79
  text "PTH" at 156.351,17.413 h0.79
  text "Round" at 163.391,17.413 h0.79
  text "Top Layer - GND" at 173.425,17.413 h0.79
  text "Pad" at 189.449,17.413 h0.79
  text "Rounded" at 197.592,17.413 h0.79
  text "c322h220" at 207.784,17.413 h0.79
  text "2" at 132.873,15.442 h0.79
  text "2.300mm (90.55mil)" at 141,15.442 h0.79
  text "PTH" at 156.351,15.442 h0.79
  text "Round" at 163.391,15.442 h0.79
  text "Top Layer - GND" at 173.425,15.442 h0.79
  text "Pad" at 189.449,15.442 h0.79
  text "Rounded" at 197.592,15.442 h0.79
  text "c345h230" at 207.784,15.442 h0.79
  text "4" at 132.873,13.471 h0.79
  text "0.900mm (35.43mil)" at 141,13.471 h0.79
  text "PTH" at 156.351,13.471 h0.79
  text "Round" at 163.391,13.471 h0.79
  text "Top Layer - GND" at 173.425,13.471 h0.79
  text "Pad" at 189.449,13.471 h0.79
  text "Rounded" at 197.592,13.471 h0.79
  text "c142h90" at 207.784,13.471 h0.79
  text "4" at 132.873,11.5 h0.79
  text "3.200mm (125.98mil)" at 141,11.5 h0.79
  text "NPTH" at 156.351,11.5 h0.79
  text "Round" at 163.391,11.5 h0.79
  text "Top Layer - GND" at 173.425,11.5 h0.79
  text "Pad" at 189.449,11.5 h0.79
  text "Rounded" at 197.592,11.5 h0.79
  text "c152hn320" at 207.784,11.5 h0.79
  text "6" at 132.873,9.529 h0.79
  text "0.800mm (31.50mil)" at 141,9.529 h0.79
  text "PTH" at 156.351,9.529 h0.79
  text "Round" at 163.391,9.529 h0.79
  text "Top Layer - GND" at 173.425,9.529 h0.79
  text "Pad" at 189.449,9.529 h0.79
  text "Rounded" at 197.592,9.529 h0.79
  text "c160h80" at 207.784,9.529 h0.79
  text "30" at 132.873,7.558 h0.79
  text "0.700mm (27.56mil)" at 141,7.558 h0.79
  text "PTH" at 156.351,7.558 h0.79
  text "Round" at 163.391,7.558 h0.79
  text "Top Layer - GND" at 173.425,7.558 h0.79
  text "Pad" at 189.449,7.558 h0.79
  text "Rounded" at 197.592,7.558 h0.79
  text "c130h70" at 207.784,7.558 h0.79
  text "56" at 132.873,5.587 h0.79
  text "1.000mm (39.37mil)" at 141,5.587 h0.79
  text "PTH" at 156.351,5.587 h0.79
  text "Round" at 163.391,5.587 h0.79
  text "Top Layer - GND" at 173.425,5.587 h0.79
  text "Pad" at 189.449,5.587 h0.79
  text "(Mixed)" at 197.592,5.587 h0.79
  text "(Mixed)" at 207.784,5.587 h0.79
  text "226" at 132.873,3.616 h0.79
  text "0.300mm (11.81mil)" at 141,3.616 h0.79
  text "PTH" at 156.351,3.616 h0.79
  text "Round" at 163.391,3.616 h0.79
  text "Top Layer - GND" at 173.425,3.616 h0.79
  text "Via" at 189.449,3.616 h0.79
  text "Rounded" at 197.592,3.616 h0.79
  text "(Mixed)" at 207.784,3.616 h0.79
  text "333 Total" at 132.873,1.645 h0.79

## Dimensions
0,0 to 0,43.4 on Dimensions Top
0,43.4 to 120.4,43.4 on Dimensions Top

## Text inside footprints (layer, text, board x,y; h text height)
D1: Top Overlay "+" at 25.15,8.85 h0.8
D2: Top Overlay "+" at 20.25,8.85 h0.8
D9: Top Overlay "+" at 30.05,8.85 h0.8
D10: Top Overlay "+" at 59.815,38.2 h0.76 r270
MT1: Top Layer "TOP1" at 9.268,1.238 h1.2; Signal_2 "3" at 15.268,1.238 h1.2; GND "BOT4" at 21.168,1.238 h1.2; Signal_1 "2" at 13.768,1.238 h1.2
NT1: Mechanical 32 "2" at 115.756,18.4 h0.61 r90; Mechanical 32 "1" at 115.756,18.9 h0.61 r90
NT2: Mechanical 32 "1" at 83.475,5.179 h0.61; Mechanical 32 "2" at 83.975,5.179 h0.61
NT3: Mechanical 32 "2" at 83.975,6.449 h0.61; Mechanical 32 "1" at 83.475,6.449 h0.61
X1: Dimensions "PCB Edge" at 96.2,44.42 h0.81 r180